# Allegro board 1155001-Timing_board_V3_20241024_1805_pcb.brd (continued)
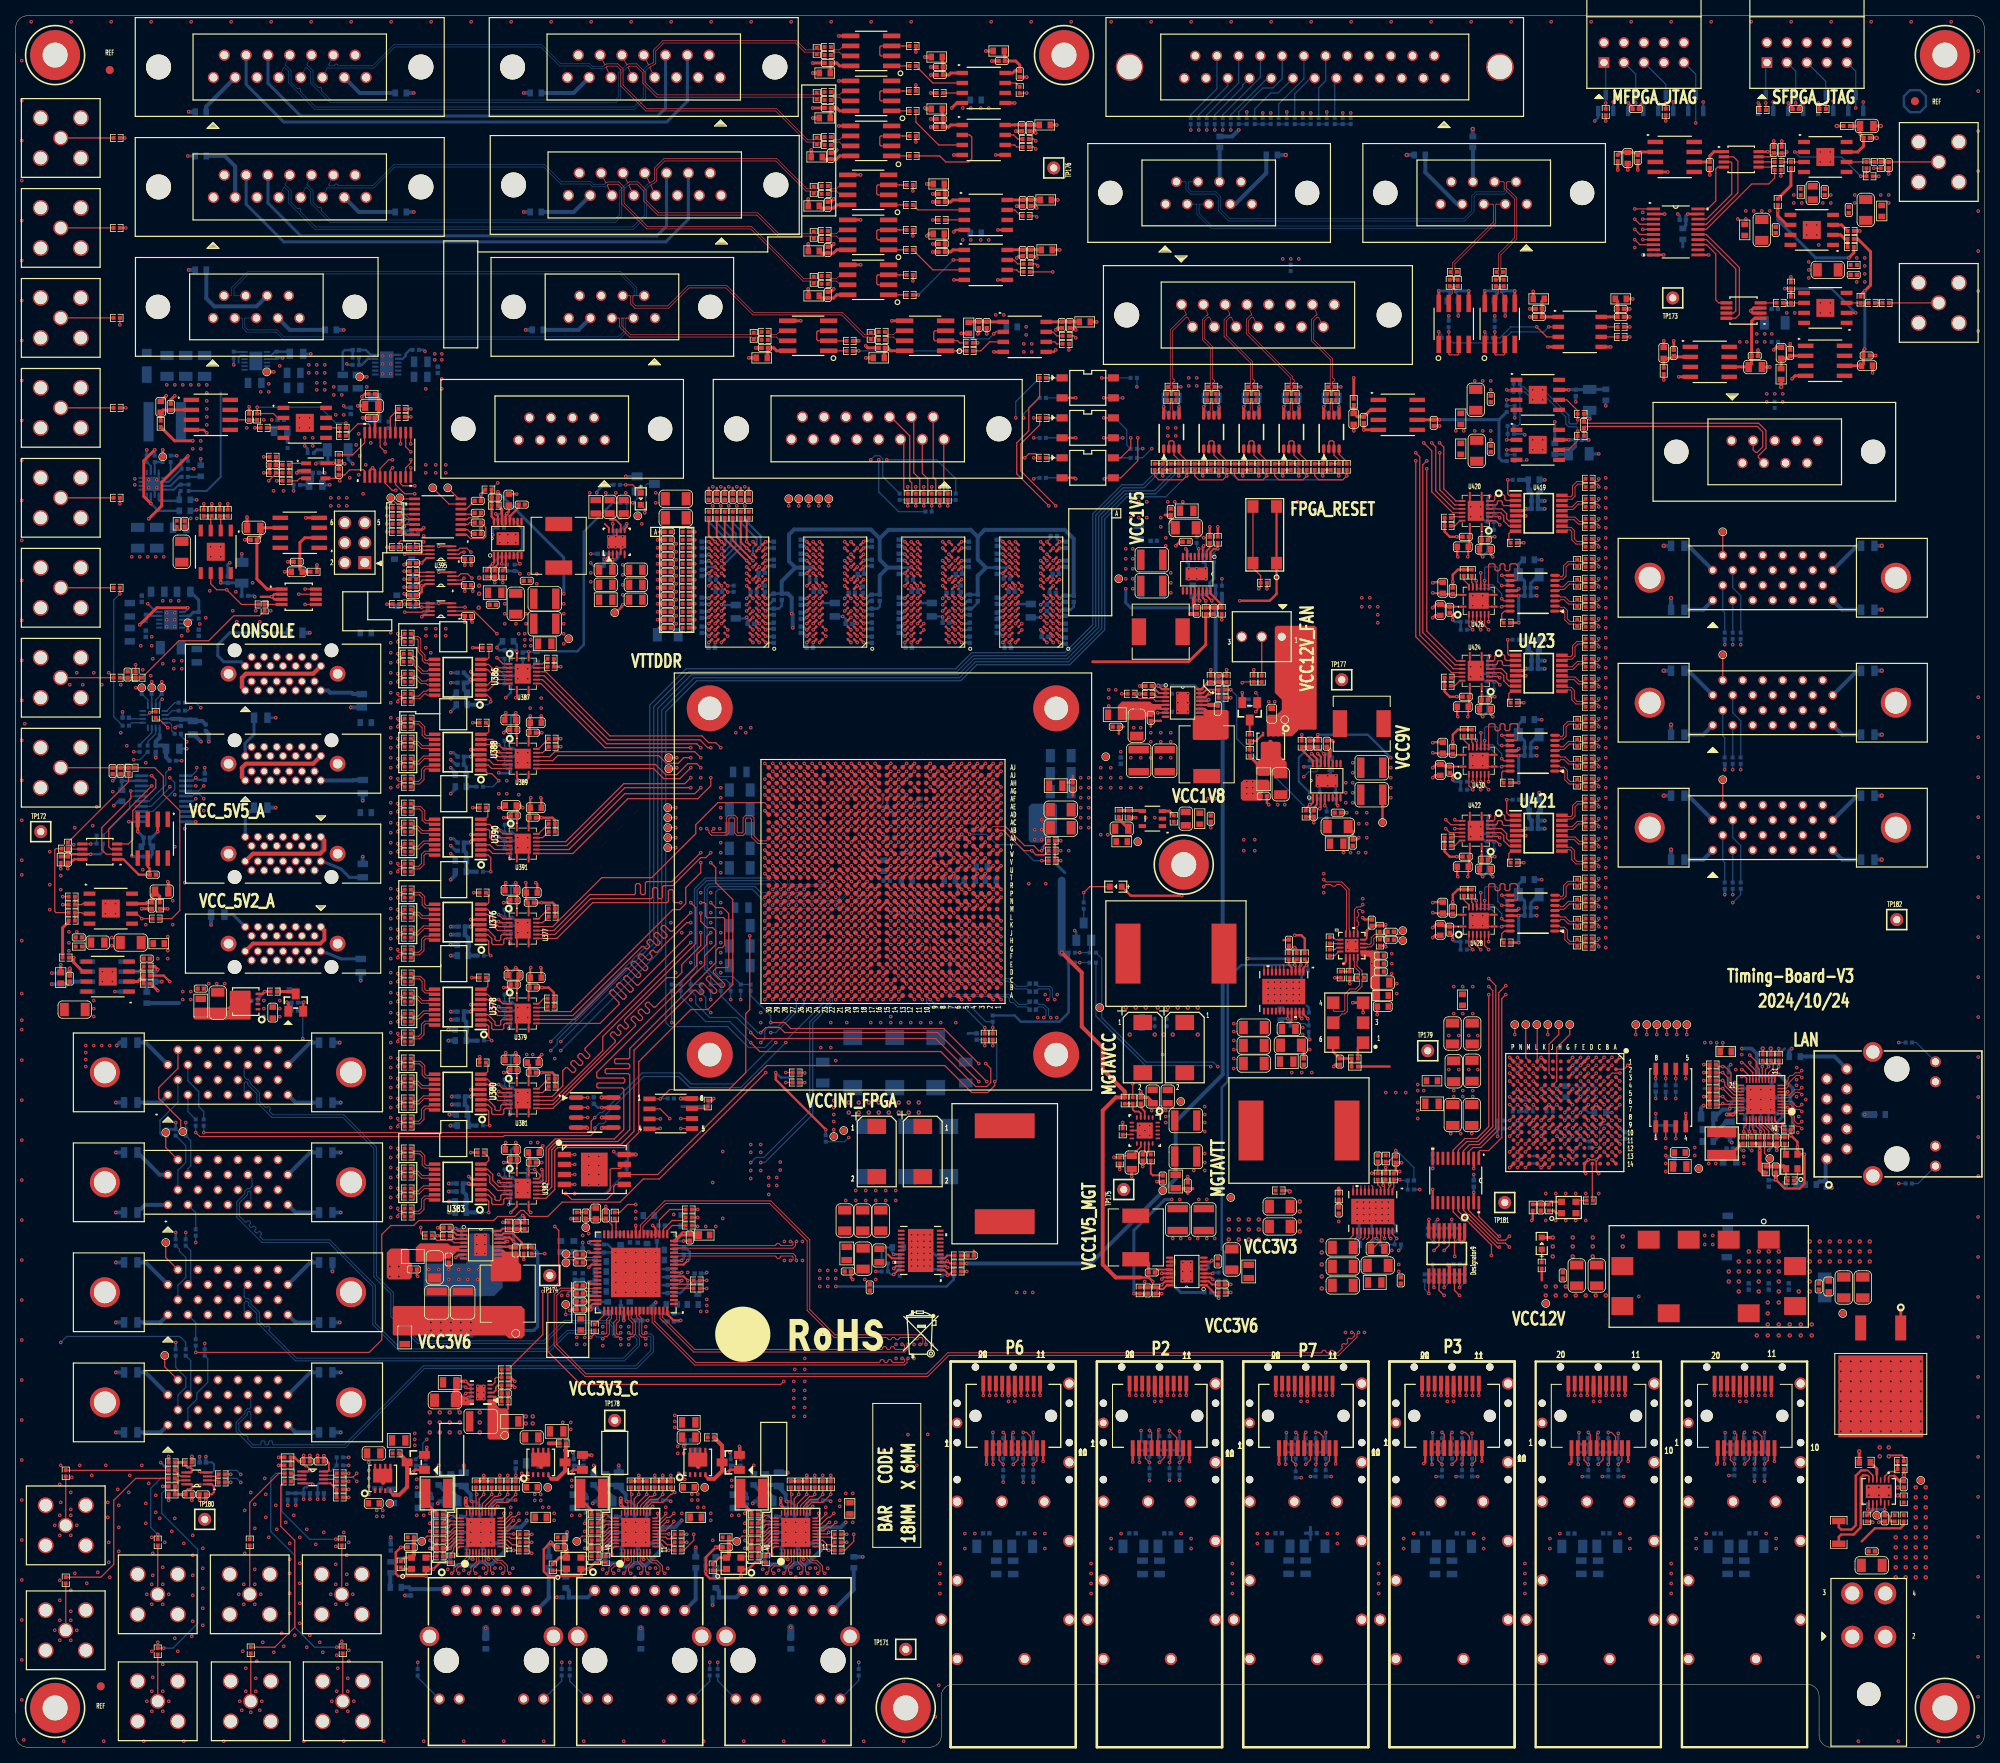
[diagram p0: board, top side]
## Nets (continued)
TDI_2_SYNC_GPIO_OUT: R2619.1 R3280.2
TDI_3_GPIO_IN: R2623.1 R3277.2
TDI_3_SYNC_GPIO_OUT: R2629.1 R3281.2
TDI_4_GPIO_IN: R2625.1 R3278.2
TDI_4_SYNC_GPIO_OUT: R2631.1 R3282.2
TIMING_SPI_CLK_1_N: J62.7(SERTC-) U247.V20(IO_L19N_T3_A09_D25_VREF_14)
TIMING_SPI_CLK_1_P: J62.20(SERTC+) U247.V19(IO_L19P_T3_A10_D26_14)
TIMING_SPI_CLK_2_N: J73.7(SERTC-) U247.K29(IO_L13N_T2_MRCC_15)
TIMING_SPI_CLK_2_P: J73.20(SERTC+) U247.K28(IO_L13P_T2_MRCC_15)
TIMING_SPI_CLK_3_N: J74.7(SERTC-) U247.AF28(IO_L14N_T2_SRCC_13)
TIMING_SPI_CLK_3_P: J74.20(SERTC+) U247.AE28(IO_L14P_T2_SRCC_13)
TIMING_SPI_CLK_4_N: J94.7(SERTC-) U247.N24(IO_L21N_T3_DQS_A18_15)
TIMING_SPI_CLK_4_P: J94.20(SERTC+) U247.P23(IO_L21P_T3_DQS_15)
TIMING_SPI_CLK_5_N: J112.7(SERTC-) R3303.1
TIMING_SPI_CLK_5_P: J112.20(SERTC+) R3304.1
TIMING_SPI_CLK_5_P_S: U425.15(ROUT1) U426.13(1B1)
TIMING_SPI_CLK_5_P_S_C: U247.AG24(IO_L14P_T2_SRCC_12) U426.4(1A1)
TIMING_SPI_CLK_6_N: J113.7(SERTC-) R3311.1
TIMING_SPI_CLK_6_P: J113.20(SERTC+) R3312.1
TIMING_SPI_CLK_6_P_S: U427.15(ROUT1) U428.13(1B1)
TIMING_SPI_CLK_6_P_S_C: U247.AE25(IO_L16P_T2_12) U428.4(1A1)
TIMING_SPI_CLK_7_N: J114.7(SERTC-) R3319.1
TIMING_SPI_CLK_7_P: J114.20(SERTC+) R3320.1
TIMING_SPI_CLK_7_P_S: U429.15(ROUT1) U430.13(1B1)
TIMING_SPI_CLK_7_P_S_C: U247.AH21(IO_L23P_T3_12) U430.4(1A1)
TIMING_SPI_CSN_1_N_C: J62.24(X1-) R2941.2
TIMING_SPI_CSN_1_P: U247.N29(IO_L17P_T2_A26_15) U382.11(2B1)
TIMING_SPI_CSN_1_P_C: J62.11(X1+) R2939.2
TIMING_SPI_CSN_1_P_H: U382.6(2A1) U383.3(DIN2)
TIMING_SPI_CSN_2_N_C: J73.24(X1-) R2896.2
TIMING_SPI_CSN_2_P: U247.M24(IO_L23P_T3_FOE_B_15) U379.11(2B1)
TIMING_SPI_CSN_2_P_C: J73.11(X1+) R2895.2
TIMING_SPI_CSN_2_P_H: U378.3(DIN2) U379.6(2A1)
TIMING_SPI_CSN_3_N_C: J74.24(X1-) R2880.2
TIMING_SPI_CSN_3_P: U247.W23(IO_L20P_T3_A08_D24_14) U377.11(2B1)
TIMING_SPI_CSN_3_P_C: J74.11(X1+) R2879.2
TIMING_SPI_CSN_3_P_H: U376.3(DIN2) U377.6(2A1)
TIMING_SPI_CSN_4_N_C: J94.24(X1-) R2914.2
TIMING_SPI_CSN_4_P: U247.M22(IO_L24P_T3_RS1_15) U381.11(2B1)
TIMING_SPI_CSN_4_P_C: J94.11(X1+) R2913.2
TIMING_SPI_CSN_4_P_H: U380.3(DIN2) U381.6(2A1)
TIMING_SPI_CSN_5_N_C: J112.24(X1-) R3206.2
TIMING_SPI_CSN_5_P: U247.AC21(IO_L5N_T0_12) U420.11(2B1)
TIMING_SPI_CSN_5_P_C: J112.11(X1+) R3205.2
TIMING_SPI_CSN_5_P_H: U419.3(DIN2) U420.6(2A1)
TIMING_SPI_CSN_6_N_C: J113.24(X1-) R3222.2
TIMING_SPI_CSN_6_P: U247.AD21(IO_L10P_T1_12) U422.11(2B1)
TIMING_SPI_CSN_6_P_C: J113.11(X1+) R3221.2
TIMING_SPI_CSN_6_P_H: U421.3(DIN2) U422.6(2A1)
TIMING_SPI_CSN_7_N_C: J114.24(X1-) R3238.2
TIMING_SPI_CSN_7_P: U247.AG23(IO_L13N_T2_MRCC_12) U424.11(2B1)
TIMING_SPI_CSN_7_P_C: J114.11(X1+) R3237.2
TIMING_SPI_CSN_7_P_H: U423.3(DIN2) U424.6(2A1)
TIMING_SPI_MISO_1_N_C: J62.21(X3-) R2952.2
TIMING_SPI_MISO_1_P: U247.N21(IO_L20P_T3_A20_15) U382.13(1B1)
TIMING_SPI_MISO_1_P_C: J62.8(X3+) R2951.2
TIMING_SPI_MISO_1_P_H: U382.4(1A1) U383.7(DIN4)
TIMING_SPI_MISO_2_N_C: J73.21(X3-) R2910.2
TIMING_SPI_MISO_2_P: U247.AC29(IO_L7P_T1_13) U379.13(1B1)
TIMING_SPI_MISO_2_P_C: J73.8(X3+) R2909.2
TIMING_SPI_MISO_2_P_H: U378.7(DIN4) U379.4(1A1)
TIMING_SPI_MISO_3_N_C: J74.21(X3-) R2892.2
TIMING_SPI_MISO_3_P: U247.AE30(IO_L16P_T2_13) U377.13(1B1)
TIMING_SPI_MISO_3_P_C: J74.8(X3+) R2890.2
TIMING_SPI_MISO_3_P_H: U376.7(DIN4) U377.4(1A1)
TIMING_SPI_MISO_4_N_C: J94.21(X3-) R2934.2
TIMING_SPI_MISO_4_P: U247.L25(IO_L12P_T1_MRCC_AD5P_15) U381.13(1B1)
TIMING_SPI_MISO_4_P_C: J94.8(X3+) R2933.2
TIMING_SPI_MISO_4_P_H: U380.7(DIN4) U381.4(1A1)
TIMING_SPI_MISO_5_N_C: J112.21(X3-) R3198.2
TIMING_SPI_MISO_5_P: U247.AB23(IO_L3N_T0_DQS_12) U420.13(1B1)
TIMING_SPI_MISO_5_P_C: J112.8(X3+) R3197.2
TIMING_SPI_MISO_5_P_H: U419.7(DIN4) U420.4(1A1)
TIMING_SPI_MISO_6_N_C: J113.21(X3-) R3214.2
TIMING_SPI_MISO_6_P: U247.AC24(IO_L9P_T1_DQS_12) U422.13(1B1)
TIMING_SPI_MISO_6_P_C: J113.8(X3+) R3213.2
TIMING_SPI_MISO_6_P_H: U421.7(DIN4) U422.4(1A1)
TIMING_SPI_MISO_7_N_C: J114.21(X3-) R3230.2
TIMING_SPI_MISO_7_P: U247.AF23(IO_L11N_T1_SRCC_12) U424.13(1B1)
TIMING_SPI_MISO_7_P_C: J114.8(X3+) R3229.2
TIMING_SPI_MISO_7_P_H: U423.7(DIN4) U424.4(1A1)
TIMING_SPI_MOSI_1_N_C: J62.25(X0-) R2936.2
TIMING_SPI_MOSI_1_P: U247.AA20(IO_L6P_T0_12) U382.10(2B2)
TIMING_SPI_MOSI_1_P_C: J62.12(X0+) R2935.2
TIMING_SPI_MOSI_1_P_H: U382.7(2A2) U383.2(DIN1)
TIMING_SPI_MOSI_2_N_C: J73.25(X0-) R2894.2
TIMING_SPI_MOSI_2_P: U247.M29(IO_L15P_T2_DQS_15) U379.10(2B2)
TIMING_SPI_MOSI_2_P_C: J73.12(X0+) R2893.2
TIMING_SPI_MOSI_2_P_H: U378.2(DIN1) U379.7(2A2)
TIMING_SPI_MOSI_3_N_C: J74.25(X0-) R2878.2
TIMING_SPI_MOSI_3_P: U247.U24(IO_L23P_T3_A03_D19_14) U377.10(2B2)
TIMING_SPI_MOSI_3_P_C: J74.12(X0+) R2877.2
TIMING_SPI_MOSI_3_P_H: U376.2(DIN1) U377.7(2A2)
TIMING_SPI_MOSI_4_N_C: J94.25(X0-) R2912.2
TIMING_SPI_MOSI_4_P: U247.L30(IO_L9P_T1_DQS_AD11P_15) U381.10(2B2)
TIMING_SPI_MOSI_4_P_C: J94.12(X0+) R2911.2
TIMING_SPI_MOSI_4_P_H: U380.2(DIN1) U381.7(2A2)
TIMING_SPI_MOSI_5_N_C: J112.25(X0-) R3204.2
TIMING_SPI_MOSI_5_P: U247.AB20(IO_L6N_T0_VREF_12) U420.10(2B2)
TIMING_SPI_MOSI_5_P_C: J112.12(X0+) R3202.2
TIMING_SPI_MOSI_5_P_H: U419.2(DIN1) U420.7(2A2)
TIMING_SPI_MOSI_6_N_C: J113.25(X0-) R3220.2
TIMING_SPI_MOSI_6_P: U247.AE21(IO_L10N_T1_12) U422.10(2B2)
TIMING_SPI_MOSI_6_P_C: J113.12(X0+) R3218.2
TIMING_SPI_MOSI_6_P_H: U421.2(DIN1) U422.7(2A2)
TIMING_SPI_MOSI_7_N_C: J114.25(X0-) R3236.2
TIMING_SPI_MOSI_7_P: U247.AH25(IO_L18N_T2_12) U424.10(2B2)
TIMING_SPI_MOSI_7_P_C: J114.12(X0+) R3234.2
TIMING_SPI_MOSI_7_P_H: U423.2(DIN1) U424.7(2A2)
TMP75_ALERT: R501.2 U79.3(ALERT) U247.J21(IO_L5P_T0_AD2P_15)
TMP75_IIC_SCL: R500.2 U79.2(SCL) U247.K21(IO_L4N_T0_AD9N_15)
TMP75_IIC_SDA: R499.2 U79.1(SDA) U247.L21(IO_L4P_T0_AD9P_15)
TO_DATA_ACQ_1_CLK_N: J62.22(XCLK-) U105.61(SCLKOUT11*)
TO_DATA_ACQ_1_CLK_P: J62.9(XCLK+) U105.60(SCLKOUT11)
TO_DATA_ACQ_2_CLK_N: J73.22(XCLK-) U105.54(SCLKOUT9*)
TO_DATA_ACQ_2_CLK_P: J73.9(XCLK+) U105.53(SCLKOUT9)
TO_DATA_ACQ_3_CLK_N: J74.22(XCLK-) U105.56(CLKOUT8*)
TO_DATA_ACQ_3_CLK_P: J74.9(XCLK+) U105.55(CLKOUT8)
TO_DATA_ACQ_4_CLK_N: J94.22(XCLK-) U105.59(CLKOUT_10*)
TO_DATA_ACQ_4_CLK_P: J94.9(XCLK+) U105.58(CLKOUT10)
TO_DATA_ACQ_5_CLK_N: J112.22(XCLK-) U105.67(CLKOUT12*)
TO_DATA_ACQ_5_CLK_P: J112.9(XCLK+) U105.66(CLKOUT12)
TO_DATA_ACQ_6_CLK_N: J113.22(XCLK-) U105.65(SCLKOUT13*)
TO_DATA_ACQ_6_CLK_P: J113.9(XCLK+) U105.64(SCLKOUT13)
TO_DATA_ACQ_7_CLK_N: J114.22(XCLK-) U105.25(CLKOUT4*)
TO_DATA_ACQ_7_CLK_P: J114.9(XCLK+) U105.24(CLKOUT4)
TRIG_IO1: R931.1 R1908.2
TRIG_IO2: R993.2 R3351.1
TRIG_IO4: R934.1 R2344.2
UART_RX: R1923.1 U247.E26(IO_L5N_T0_16)
UART_RX_RS232: R2168.1 R2169.1 U3.13(R1IN)
UART_TX: R1922.1 U247.F26(IO_L5P_T0_16)
UART_TX_RS232: R1924.1 R1925.1 U3.14(T1OUT)
VAC_REF0: C938.2(CAP1) R991.2 R992.2 U245.8(VAC_REF0)
VCXO_100M_N: R985.1 U103.5(OUT-) U245.4(IN1_N)
VCXO_100M_P: R985.2 U103.4(OUT+) U245.3(IN1_P)
VREG: C1158.1(CAP2) R1041.1 R1050.1 R1074.1 U113.18(VREG)
VREG5V_1: C1207.1(CAP2) R1084.1 U117.18(VREG)
VREG5V_2: C1217.1(CAP2) R1091.1 R1099.1 U118.18(VREG)
VREG_N: C3006.1(CAP2) R3121.1 U392.11(VREG)
VRN_32: R160.2 U247.Y14(IO_0_VRN_32)
VRN_33: R162.2 U247.Y13(IO_0_VRN_33)
VRN_34: R163.2 U247.AC6(IO_0_VRN_34)
VRP_32: R159.1 U247.AB14(IO_25_VRP_32)
VRP_33: R161.1 U247.AD13(IO_25_VRP_33)
VRP_34: R164.1 U247.AB7(IO_25_VRP_34)
VTTDDR: C13.1(CAP2) C14.1(CAP2) C15.1(CAP2) C342.1(CAP2) C343.1(CAP2) C344.1(CAP2) C521.1(CAP2) C522.1(CAP2) C523.1(CAP2) C524.1(CAP2) C525.1(CAP2) C526.1(CAP2) C527.1(CAP2) C546.1(CAP2) C547.1(CAP2) C548.1(CAP2) C549.1(CAP2) C550.1(CAP2) C551.1(CAP2) C552.1(CAP2) C553.1(CAP2) C554.1(CAP2) C555.1(CAP2) C596.1(CAP2) C597.1(CAP2) C598.1(CAP2) C599.1(CAP2) C600.1(CAP2) C601.1(CAP2) C602.1(CAP2) C603.1(CAP2) C604.1(CAP2) C605.1(CAP2) C624.1(CAP2) C625.1(CAP2) C626.1(CAP2) C627.1(CAP2) C628.1(CAP2) C629.1(CAP2) C630.1(CAP2) C631.1(CAP2) C632.1(CAP2) C633.1(CAP2) R460.1 R461.1 R462.1 R463.1 R464.1 R465.1 R466.1 R467.1 R468.1 R469.1 R470.1 R471.1 R472.1 R473.1 R474.1 R475.1 R476.1 R477.1 R478.1 R479.1 R480.1 R481.1 R482.1 R483.1 R484.1 TP48.1 U23.3(VO) U23.5(VOSNS)
VTTVREF: C97.1(CAP2) C187.2(CAP1) C461.1(CAP2) C462.1(CAP2) C463.1(CAP2) C490.1(CAP2) C491.1(CAP2) C492.1(CAP2) C506.1(CAP2) C507.1(CAP2) C520.1(CAP2) C544.2(CAP1) C545.1(CAP2) C563.1(CAP2) C573.1(CAP2) C574.2(CAP1) C575.1(CAP2) C576.2(CAP1) C577.1(CAP2) C585.1(CAP2) C595.1(CAP2) C613.1(CAP2) C623.1(CAP2) C640.1(CAP2) TP49.1 U23.6(REFOUT) U75.H1(VREFDQ) U75.M8(VREFCA) U76.H1(VREFDQ) U76.M8(VREFCA) U77.H1(VREFDQ) U77.M8(VREFCA) U78.H1(VREFDQ) U78.M8(VREFCA) U247.AB13(IO_L6N_T0_VREF_33) U247.AD7(IO_L6N_T0_VREF_34) U247.AE14(IO_L19N_T3_VREF_32) U247.AF13(IO_L19N_T3_VREF_33) U247.AF16(IO_L6N_T0_VREF_32) U247.AG8(IO_L19N_T3_VREF_34)
W_DRIVER_5V: L400.1 L401.1 L459.2 L460.2 L462.2
W_DRIVER_GND: C2969.1(CAP2) C2970.1(CAP2) C2971.2(CAP1) C2974.1(CAP2) J87.8 J89.8 L337.1 L338.1 R3055.2 R3061.2 U402.5(GND) U403.4(GND1) U404.5(GND)
W_ENCODER_MA_IN: R3059.1 U403.2(VIA)
W_ENCODER_MA_IN+: J87.2 J89.2 R3057.2 R3058.1
W_ENCODER_MA_IN-: J87.3 J89.3 R3056.2 R3058.2
W_ENCODER_MA_IN_FPGA: R3060.1 U247.C14(IO_L21N_T3_DQS_18)
W_ENCODER_SLO_IN: R3065.1 U403.3(VIB)
W_ENCODER_SLO_IN+: J87.6 J89.6 R3063.2 R3064.1
W_ENCODER_SLO_IN-: J87.7 J89.7 R3062.2 R3064.2
W_ENCODER_SLO_IN_FPGA: R3066.1 U247.B13(IO_L22P_T3_18)
X_DRIVER_5V: L406.1 L407.1 L463.2 L464.2 L465.2 L466.2 L468.2
X_DRIVER_5V_ADD: L533.1 L534.1 L537.2 L538.2 L539.2
X_DRIVER_GND: C2975.1(CAP2) C2976.1(CAP2) C2977.1(CAP2) C2978.1(CAP2) C2979.2(CAP1) C2982.1(CAP2) C2983.2(CAP1) J86.2 J92.2 L339.2 L340.2 R3067.2 R3072.2 R3077.2 R3104.2 U405.5(GND) U406.5(GND) U407.5(GND) U408.4(GND1) U409.4(GND1)
X_DRIVER_GND_ADD: C3147.1(CAP2) C3148.2(CAP1) C3149.1(CAP2) C3150.1(CAP2) J131.8 J132.8 L532.1 L535.1 R3415.2 R3420.2 U457.4(GND1) U458.5(GND) U459.5(GND)
X_ENCODER_A_IN: R3071.1 U408.2(VIA)
X_ENCODER_A_IN+: J86.14 J92.14 R3069.2 R3070.1
X_ENCODER_A_IN-: J86.6 J92.6 R3068.2 R3070.2
X_ENCODER_A_IN_FPGA: R3082.1 U247.A20(IO_L21P_T3_DQS_17)
X_ENCODER_B_IN: R3076.1 U408.3(VIB)
X_ENCODER_B_IN+: J86.13 J92.13 R3074.2 R3075.1
X_ENCODER_B_IN-: J86.5 J92.5 R3073.2 R3075.2
X_ENCODER_B_IN_FPGA: R3083.1 U247.A21(IO_L21N_T3_DQS_17)
X_ENCODER_MA_IN: R3416.1 U457.2(VIA)
X_ENCODER_MA_IN+: J131.2 J132.2 R3418.2 R3419.1
X_ENCODER_MA_IN-: J131.3 J132.3 R3417.2 R3419.2
X_ENCODER_MA_IN_FPGA: R3413.1 U247.AF30(IO_L16N_T2_13)
X_ENCODER_P: J86.11 J92.11
X_ENCODER_Q: J86.10 J92.10
X_ENCODER_SLO_IN: R3421.1 U457.3(VIB)
X_ENCODER_SLO_IN+: J131.6 J132.6 R3423.2 R3424.1
X_ENCODER_SLO_IN-: J131.7 J132.7 R3422.2 R3424.2
X_ENCODER_SLO_IN_FPGA: R3414.1 U247.AJ29(IO_L17N_T2_13)
X_ENCODER_Z_IN: R3081.1 U409.2(VIA)
X_ENCODER_Z_IN+: J86.12 J92.12 R3079.2 R3080.1
X_ENCODER_Z_IN-: J86.4 J92.4 R3078.2 R3080.2
X_ENCODER_Z_IN_FPGA: R3084.1 U247.B18(IO_L22P_T3_17)
XADC_AGND: C2.2(CAP1) L3.2 U247.P14(GNDADC_0) U247.R14(VREFN_0) U247.T15(VREFP_0)
XADC_VCC: C2.1(CAP2) L5.1 U247.P15(VCCADC_0)
Z_DRIVER_5V: L414.1 L415.1 L470.2 L471.2 L472.2 L473.2 L475.2
Z_DRIVER_GND: C2986.1(CAP2) C2987.1(CAP2) C2988.1(CAP2) C2989.1(CAP2) C2990.2(CAP1) C2993.1(CAP2) C2994.2(CAP1) J91.2 J93.2 L341.2 L342.2 R3085.2 R3090.2 R3095.2 R3103.2 U410.5(GND) U411.5(GND) U412.5(GND) U413.4(GND1) U414.4(GND1)
Z_ENCODER_A_IN: R3089.1 U413.2(VIA)
Z_ENCODER_A_IN+: J91.14 J93.14 R3087.2 R3088.1
Z_ENCODER_A_IN-: J91.6 J93.6 R3086.2 R3088.2
Z_ENCODER_A_IN_FPGA: R3100.1 U247.A13(IO_L22N_T3_18)
Z_ENCODER_B_IN: R3094.1 U413.3(VIB)
Z_ENCODER_B_IN+: J91.13 J93.13 R3092.2 R3093.1
Z_ENCODER_B_IN-: J91.5 J93.5 R3091.2 R3093.2
Z_ENCODER_B_IN_FPGA: R3101.1 U247.C15(IO_L23P_T3_18)
Z_ENCODER_P: J91.11 J93.11
Z_ENCODER_Q: J91.10 J93.10
Z_ENCODER_Z_IN: R3099.1 U414.2(VIA)
Z_ENCODER_Z_IN+: J91.12 J93.12 R3097.2 R3098.1
Z_ENCODER_Z_IN-: J91.4 J93.4 R3096.2 R3098.2
Z_ENCODER_Z_IN_FPGA: R3102.1 U247.B15(IO_L23N_T3_18)
$7N578: C217.1(CAP2) R233.1
$7N830: Q15.3(DRAIN) R396.1
$7N832: DS10.2 R396.2
$36N205: R165.2 U247.W8(MGTRREF_115)
$45N24: C271.1(CAP2) R219.1 R221.2 U23.1(REFIN)
$45N300: DS18.2 Q10.3(DRAIN)
$45N301: DS18.1 R87.2
N319534: R458.1 U75.L8(ZQ)
N335210: R490.1 U76.L8(ZQ)
N421789: R492.1 U77.L8(ZQ)
N421983: R494.1 U78.L8(ZQ)
N577021: P3.9(RS1) R391.2 R2432.1
N577039: P3.7(RS0) R392.2 R2433.1
N577123: P3.3(TX_DISABLE) R12.2 R2558.2
N601768: P2.7(RS0) R18.2 R2435.1
N601812: P2.9(RS1) R23.2 R2434.1
N601906: P2.3(TX_DISABLE) R19.2 R2559.2
N929679: R670.1 U89.6(CLK)
N932083: R669.1 U90.3(OUT)
N932121: C800.1(CAP2) L55.1 R986.2 U90.4(VCC)
N932133: R986.1 U90.1(OE)
N932396: R665.1 U88.G8(NC/VP_0)
N932403: R666.1 U88.H7(NC/VN_0)
N1107900: C815.1(CAP2) L40.1 U88.F8(NC/VCCADC_0)
N1108562: R784.2 U88.P8(INIT_B_0)
N1108569: R785.2 U88.L7(PROGRAM_B_0)
N1108576: R786.1 U88.N7(CFGBVS_0)
N1108697: R787.2 U88.P9(DONE_0)
N1108945: R788.1 U88.B8(NC/VCCBATT_0)
N16507224: C942.1(CAP2) U247.U27(IO_L13P_T2_MRCC_14)
N16507228: C941.1(CAP2) U247.U28(IO_L13N_T2_MRCC_14)
N16578782: C1003.2(CAP1) C1004.1(CAP2) C1005.2(CAP1) TP31.1 U105.32(CPOUT1)
N16578824: C1003.1(CAP2) C1004.2(CAP1) R1004.2
N16578950: C1006.1(CAP2) C1007.2(CAP1) C1008.2(CAP1) TP32.1 U105.50(CPOUT2)
N16578970: C1006.2(CAP1) C1008.1(CAP2) R1005.1
N16579368: C995.2(CAP1) U105.7(BGABYP1)
N16579404: C996.2(CAP1) U105.8(LDOBYP2)
N16579416: C999.2(CAP1) U105.9(LDOBYP3)
N16579428: C997.2(CAP1) C1000.1(CAP2) U105.11(LDOBYP4)
N16579440: C1000.2(CAP1) U105.12(LDOBYP5)
N16579592: C1002.1(CAP2) U105.46(LDOBYP6)
N16579620: C1001.1(CAP2) U105.49(LDOBYP7)
N16579670: R994.2 U105.35(RSV)
N16645854: R2805.2 R2806.2 U111.2(SHIELD1) U111.3(SHIELD2)
N16650422: Q1.D R1034.2 U112.5(SNS)
N16650464: C1146.2(CAP1) R1038.2 R1039.2 U112.7(SHDN) U112.11(AOUT)
N16650476: R1036.1 R1037.2 R1039.1 U112.12(IN+)
N16650588: R1033.2 U112.8(FLT)
N16650604: R1062.2 U112.4(GATE)
N16650648: Q1.G R1062.1
N16650778: C1151.1(CAP2) U112.1(TMR)
N16650844: R1040.2 R1063.1 U112.2(FB)
N16650852: TP40.1 U112.9(EN)
N16671344: C1153.1(CAP2) C1154.1(CAP2) C1155.1(CAP2) C1156.1(CAP2) C1157.1(CAP2) L89.2 U113.12(VIN) U113.13(VIN_1) U113.14(VIN_2) U113.15(VIN_3) U113.16(VIN_4) U113.17(VIN_5) U113.19(VDD)
N16672317: R1044.2 U113.20(MODE)
N16672324: R1043.2 U113.21(TRIP)
N16672331: R1042.2 R1050.2 U113.22(RF)
N16672704: C1159.1(CAP2) L85.2 U113.6(LL) U113.7(LL_1) U113.8(LL_2) U113.9(LL_3) U113.10(LL_4) U113.11(LL_5)
N16673248: R1046.2 R1047.1 U113.1(VFB)
N16673267: R1049.1 U113.4(VBST)
N16673329: C1159.2(CAP1) R1049.2
N16673629: R1045.2 R1048.1 U113.2(EN)
N16695226: C1162.1(CAP2) C1163.2(CAP1) L87.2 U114.5(VIN1) U114.6(VIN2)
N16695258: R1051.2 U114.4(EN/UV)
N16695470: C1165.1(CAP2) U114.2(TR/SS)
N16695562: R1054.2 R1081.1 U114.1(SYNC)
N16695602: C1166.1(CAP2) L88.1 U114.9(SW1) U114.10(SW2) U114.11(SW3)
N16695606: C1166.2(CAP1) U114.12(BST)
N16695702: C1167.1(CAP2) R1055.1 R1056.1 U114.16(FB)
N16695978: R1052.1 U114.3(RT)
N16716267: C1188.2(CAP1) C1197.1(CAP2) L93.2 U116.5(VIN1) U116.6(VIN2)
N16716359: R1067.2 U116.4(EN/UV)
N16716571: C1190.1(CAP2) U116.2(TR/SS)
N16716663: R1070.2 R1071.1 U116.1(SYNC)
N16716703: C1191.1(CAP2) L94.1 U116.9(SW1) U116.10(SW2) U116.11(SW3)
N16716707: C1191.2(CAP1) U116.12(BST)
N16716803: C1192.1(CAP2) R1072.1 R1073.1 U116.16(FB)
N16717075: R1068.1 U116.3(RT)
N16718397: R1074.2 R1075.2 U116.15(PG)
N16720636: C340.1(CAP2) C341.1(CAP2) L95.2 R221.1 U23.2(VLDOIN)
N16720676: C224.1(CAP2) L96.1 U23.7(EN) U23.10(VIN)
N16721374: R459.1 U23.9(PGOOD)
N16725153: R1086.2 R1088.2 U114.15(PG)
N16728285: C1212.1(CAP2) C1213.1(CAP2) C1214.1(CAP2) C1215.1(CAP2) C1216.1(CAP2) L100.2 U118.12(VIN) U118.13(VIN_1) U118.14(VIN_2) U118.15(VIN_3) U118.16(VIN_4) U118.17(VIN_5) U118.19(VDD)
N16728485: R1094.2 U118.20(MODE)
N16728493: R1092.2 R1099.2 U118.22(RF)
N16728501: R1093.2 U118.21(TRIP)
N16728563: C1208.1(CAP2) L99.2 U118.6(LL) U118.7(LL_1) U118.8(LL_2) U118.9(LL_3) U118.10(LL_4) U118.11(LL_5)
N16728607: R1095.2 R1100.1 U118.1(VFB)
N16728623: R1098.1 U118.4(VBST)
N16728663: C1208.2(CAP1) R1098.2
N16728745: R1101.1 U118.2(EN)
N16769397: C1219.2(CAP1) C1228.1(CAP2) L101.2 U119.5(VIN1) U119.6(VIN2)
N16769495: R1102.2 U119.4(EN/UV)
N16769695: C1221.1(CAP2) U119.2(TR/SS)
N16769791: R1105.2 R1106.1 U119.1(SYNC)
N16769823: C1222.1(CAP2) L102.1 U119.9(SW1) U119.10(SW2) U119.11(SW3)
N16769839: C1222.2(CAP1) U119.12(BST)
N16769935: C1223.1(CAP2) R1107.1 R1108.1 U119.16(FB)
N16770219: R1103.1 U119.3(RT)
N16770359: R1109.2 R1110.2 U119.15(PG)
N16771394: C1229.2(CAP1) U120.13(NR_SS)
N16771812: C1231.2(CAP1) C1232.1(CAP2) L103.2 R1114.2 U120.15(IN) U120.16(IN_1) U120.17(IN_2)
N16773503: R1111.2 U120.9(400 MV)
N16774020: C1235.1(CAP2) U120.3(FB)
N16774481: R1112.2 R1113.1 U120.4(PG)
N16776070: R1114.1 U120.14(EN)
N16776537: C1238.1(CAP2) R1115.2 U120.12(BIAS)
N16895382: Q21.1(GATE) R1196.1 R1197.1
N16895384: Q20.4(G) R1198.2 R2541.1
N16895484: C1349.1(CAP2) L134.2 Q20.5(S1) R1198.1
N17066271: R657.1 U88.B10(IO_L3P_T0_DQS_PUDC_B_14)
N17066278: R276.1 U247.R23(IO_L3P_T0_DQS_PUDC_B_14)
N17765267: R1069.2 U116.7(NC)
N17766516: R1104.2 U119.7(NC)
N17767089: R1053.2 U114.7(NC)
N20520588: C1340.1(CAP2) C1341.1(CAP2) L295.1 R2079.1 TP68.1 U133.2(OUT) U133.3(OUT_1)
N20520628: R2079.2 R2080.1 U133.5(SENSE/ADJ)
N20520632: C1340.2(CAP1) U133.6(BYP)
N20520700: C1339.1(CAP2) L131.2 U133.10(IN) U133.11(IN_1)
N20520738: R2083.2 U133.8(*SHDN)
N21090058: C930.2(CAP1) L54.1 R984.2 U103.6(VDD)
N21090105: R984.1 U103.1(VC/OE/S\T\)
N21090305: R987.2 R988.2 U245.2(IN_SEL)
N21904866: TP92.1 U88.A10(IO_L3N_T0_DQS_EMCCLK_14)
N21904868: TP93.1 U88.A12(IO_L4P_T0_D04_14)
N21904877: TP94.1 U88.A13(IO_L4N_T0_D05_14)
N21904886: TP95.1 U88.B13(IO_L5P_T0_D06_14)
N21904895: TP96.1 U88.C12(IO_L6N_T0_D08_VREF_14)
N21904904: TP97.1 U88.F12(IO_L7P_T1_D09_14)
N21904956: TP90.1 U88.M1(IO_L18P_T2_34)
N21904965: TP91.1 U88.J3(IO_L17N_T2_34)
N21904974: TP98.1 U88.L1(IO_L18N_T2_34)
N21904983: TP99.1 U88.J4(IO_L17P_T2_34)
N21905005: TP100.1 U88.L5(IO_25_34)
N21905014: TP101.1 U88.N4(IO_L24N_T3_34)
N21905899: C2394.2(CAP1) TP143.1
N21905901: C2395.2(CAP1) TP142.1
N21905987: TP116.1 U247.AK13(IO_L20N_T3_33)
N21906019: TP133.1 U247.AH14(IO_L21P_T3_DQS_33)
N21906030: TP134.1 U247.AJ14(IO_L21N_T3_DQS_33)
N21906041: TP135.1 U247.AJ13(IO_L22P_T3_33)
N21906052: TP136.1 U247.AJ12(IO_L22N_T3_33)
N21908350: R849.2 R855.1 U93.14(MDIO)
N21912553: DS24.1 R2050.2
N21945396: C939.2(CAP1) R992.1 U245.7(IN0_N)
N21945398: C940.2(CAP1) R991.1 U245.6(IN0_P)
N21945416: C940.1(CAP2) TP137.1
N21945418: C939.1(CAP2) TP138.1
N21955669: P6.7(RS0) R2051.2 R2437.1
N21955690: P6.9(RS1) R2052.2 R2436.1
N21955726: P6.3(TX_DISABLE) R2056.2 R2560.2
N21956803: P7.7(RS0) R2059.2 R2439.1
N21956824: P7.9(RS1) R2060.2 R2438.1
N21956860: P7.3(TX_DISABLE) R2064.2 R2561.2
N22202204: C1177.2(CAP1) C1178.1(CAP2) L90.2 U115.5(VIN1) U115.6(VIN2)
N22202247: R1059.2 U115.4(EN/UV)
N22202347: C1176.1(CAP2) U115.2(TR/SS)
N22202393: R1061.1 R1064.2 U115.1(SYNC)
N22202413: C1179.1(CAP2) L86.1 U115.9(SW1) U115.10(SW2) U115.11(SW3)
N22202417: C1179.2(CAP1) U115.12(BST)
N22202453: R1066.2 U115.7(NC)
N22202455: C1180.1(CAP2) R1057.1 R1089.1 U115.16(FB)
N22202599: R1065.1 U115.3(RT)
N22202663: R1058.2 R1060.2 U115.15(PG)
N22225077: C1273.2(CAP1) C1274.1(CAP2) L117.2 U126.5(VIN1) U126.6(VIN2)
N22225107: R1140.2 U126.4(EN/UV)
N22225172: C1272.1(CAP2) U126.2(TR/SS)
N22225222: R1142.1 R1143.2 U126.1(SYNC)
N22225252: C1275.1(CAP2) L116.1 U126.9(SW1) U126.10(SW2) U126.11(SW3)
N22225254: R1145.2 U126.7(NC)
N22225256: C1275.2(CAP1) U126.12(BST)
N22225276: C1267.1(CAP2) C1268.1(CAP2) C1269.1(CAP2) C1270.1(CAP2) C1276.2(CAP1) L116.2 L118.1 R1146.2 TP61.1 U126.14(BIAS)
N22225298: C1276.1(CAP2) R1146.1 R1147.1 U126.16(FB)
N22225338: R1139.2 R1141.2 U126.15(PG)
N22225448: R1144.1 U126.3(RT)
N22237663: R495.2 U6.7(H\O\L\D\)
N22239520: C2423.2(CAP1) C2424.1(CAP2) L271.2 U268.2(VIN)
N22239560: C2425.2(CAP1) R2073.1 U268.6(VOUT)
N22239588: C2430.2(CAP1) C2648.1(CAP2) L269.2 U269.7(V+)
N22239655: R2073.2 R2074.2 U269.2(-IN)
N22239679: R2074.1 R2447.1 U269.6(OUT)
N22239690: C2432.2(CAP1) C2433.1(CAP2) L270.2 U269.4(V-) U269.9(EPAD)
N22239962: R2070.1 R3005.2 U267.1(VOUT)
N22239964: C2422.1(CAP2) U267.4(-IN) U271.1(IOUT1)
N22240004: C2422.2(CAP1) R2071.2 R3005.1 R3006.2
N22240010: C2944.1(CAP2) R2070.2 R3026.1
N22240032: C2426.1(CAP2) C2647.1(CAP2) L267.2 U267.5(+VS)
N22240087: C2428.1(CAP2) C2429.1(CAP2) L268.2 U267.2(-VS)
N22240109: R2071.1 U271.20(VRFB)
N22240209: R2075.1 U269.3(+IN)
N22240229: R2447.2 U271.19(VREF)
N22415451: J81.14(INNER SHIELD2) R2127.1
N22415452: J81.13(INNER SHIELD3) R2128.1
N22415487: J77.14(INNER SHIELD2) R2129.1
N22415491: J77.13(INNER SHIELD3) R2130.1
N22415511: J80.14(INNER SHIELD2) R2131.1
N22415515: J80.13(INNER SHIELD3) R2132.1
N22546496: J73.3(CC3+) R2778.1
N22546524: J73.16(CC3-) R2781.1
N22546541: J73.15(CC4+) TP145.1
N22546645: J73.14(INNER SHIELD2) R2191.1
N22546648: J73.1(INNER SHIELD1) R2190.1
N22546901: J73.2(CC4-) R2192.1
N22546923: J73.13(INNER SHIELD3) R2193.1
N22546932: J73.26(INNER SHIELD4) R2194.1
N22549363: J74.14(INNER SHIELD2) R2196.1
N22549365: J74.1(INNER SHIELD1) R2195.1
N22549725: J74.3(CC3+) R2779.1
N22549739: J74.16(CC3-) R2782.1
N22549899: J74.15(CC4+) TP146.1
N22549937: J74.2(CC4-) R2197.1
N22549943: J74.13(INNER SHIELD3) R2198.1
N22549949: J74.26(INNER SHIELD4) R2199.1
N22626888: C2528.2(CAP1) C2537.1(CAP2) L312.2 U298.5(VIN1) U298.6(VIN2)
N22626918: R2273.2 U298.4(EN/UV)
N22626983: C2530.1(CAP2) U298.2(TR/SS)
N22627033: R2276.2 R2277.1 U298.1(SYNC)
N22627063: C2531.1(CAP2) L314.1 U298.9(SW1) U298.10(SW2) U298.11(SW3)
N22627065: R2275.2 U298.7(NC)
N22627067: C2531.2(CAP1) U298.12(BST)
N22627093: C2532.2(CAP1) C2533.1(CAP2) C2534.1(CAP2) C2535.1(CAP2) C2536.1(CAP2) L313.1 L314.2 R2278.2 TP147.1 U298.14(BIAS)
N22627109: C2532.1(CAP2) R2278.1 R2279.1 U298.16(FB)
N22627147: R2280.2 R2281.2 U298.15(PG)
N22627257: R2274.1 U298.3(RT)
N22722605: R2077.1 U271.15(DB0)
N22722607: R2078.1 U271.14(DB1)
N22722971: C2420.1(CAP2) C2421.1(CAP2) L266.2 U271.18(VDD)
N22755962: R935.2 TP78.1
N22755964: R936.2 TP79.1
N22755966: R937.2 TP80.1
N22756028: R946.1 U98.7(SDO)
N22756030: C885.1(CAP2) U98.6(VREF)
N22756034: R944.1 U98.14(SCLK)
N22756036: R945.1 U98.13(SDI)
N22756038: C881.1(CAP2) C882.1(CAP2) L47.2 U98.1(VDD)
N22756100: R934.2 U98.5(I/O3)
N22756117: R935.1 U98.11(I/O7)
N22756119: R936.1 U98.10(I/O6)
N22756121: R937.1 U98.9(I/O5)
N22756250: C883.1(CAP2) C884.1(CAP2) L48.2 U98.15(VLOGIC)
N22756394: R943.1 U98.16(/SYNC)
N22756428: R931.2 U98.2(I/O0)
N22758447: J64.1(SIG) R3034.1
N22758493: J65.1(SIG) R1910.1
N22760132: R2183.2 U280.1(ANODE)
N22760232: R2352.2 U303.1(ANODE)
N22760337: R2353.2 U304.1(ANODE)
N22761206: J82.24 R2165.2
N22761223: J82.23 R2166.2
N22761237: J82.22 R2167.2
N22761806: J82.19 R2362.2
N22761811: J82.20 R2361.2
N22761816: J82.21 R2360.2
N22761842: J82.6 R2359.2
N22761847: J82.7 R2358.2
N22761852: J82.8 R2357.2
N22761857: J82.9 R2162.2
N22761862: J82.10 R2163.2
N22761867: J82.11 R2164.2
N22767710: TP117.1 U247.E18(IO_25_17)
N22804544: C1202.1(CAP2) C1203.1(CAP2) C1204.1(CAP2) C1205.1(CAP2) C1206.1(CAP2) L98.2 U117.12(VIN) U117.13(VIN_1) U117.14(VIN_2) U117.15(VIN_3) U117.16(VIN_4) U117.17(VIN_5) U117.19(VDD)
N22804791: R1076.2 R1090.1 U117.3(PGOOD)
N22804831: R1077.2 R1084.2 U117.22(RF)
N22804833: R1079.2 U117.20(MODE)
N22804839: R1078.2 U117.21(TRIP)
N22804870: C1198.1(CAP2) L97.2 R2529.1 R2531.1 U117.6(LL) U117.7(LL_1) U117.8(LL_2) U117.9(LL_3) U117.10(LL_4) U117.11(LL_5)
N22804886: C2631.1(CAP2) R1080.2 R1085.1 U117.1(VFB)
N22804894: R1083.1 U117.4(VBST)
N22804922: C1198.2(CAP1) R1083.2
N22804942: R1149.1 U117.2(EN)
N22807003: R2401.2 U127.7(EN)
N22807016: C2581.1(CAP2) C2582.2(CAP1) L330.1 R2404.2 TP62.1 U127.1(OUT) U127.2(OUT_1)
N22807022: C2582.1(CAP2) R2403.1 R2404.1 U127.3(FB)
N22807038: R1154.1 R2402.2 U127.5(PG)
N22807040: C2579.1(CAP2) L122.2 R2401.1 U127.6(SS_CTRL) U127.9(IN) U127.10(IN_1)
N22807100: C2580.2(CAP1) U127.8(NR_SS)
N22839532: R2424.1 U313.4(DRAIN2)
N22839535: R2405.2 U313.1(ANODE)
N22839549: R2425.1 U313.3(DRAIN1)
N22839568: R2406.2 U314.1(ANODE)
N22839621: R2407.2 U315.1(ANODE)
N22839848: R2409.2 R2411.1 R2418.2
N22839904: R2410.2 R2419.2
N22839992: R2412.2 R2414.1 R2420.2
N22840048: R2413.2 R2421.2
N22840145: R2415.2 R2417.1 R2422.2
N22840201: R2416.2 R2423.2
N22841333: R2426.1 U314.4(DRAIN2)
N22841335: R2427.1 U314.3(DRAIN1)
N22841405: R2428.1 U315.4(DRAIN2)
N22841407: R2429.1 U315.3(DRAIN1)
N22925507: C2583.2(CAP1) C2584.1(CAP2) L331.2 U317.2(VIN)
N22925529: C2585.2(CAP1) U317.6(VOUT) U318.1(REF)
N22926185: C2586.2(CAP1) L332.2 R3023.1 U318.7(VDD)
N22929246: R2368.1 R3116.2 U318.6(OUT)
N22941492: C2595.2(CAP1) C2596.1(CAP2) L335.2 U322.2(VIN)
N22941508: C2597.2(CAP1) C2598.1(CAP2) U322.6(VOUT) U323.1(VDD)
N22945749: C2600.1(CAP2) L336.1 U324.19(VCCB)
N22972460: R2448.2 U267.3(+IN)
N22974010: J62.1(INNER SHIELD1) R2449.1
N22974014: J62.14(INNER SHIELD2) R2450.1
N22974670: J62.3(CC3+) R2777.1
N22974777: J62.15(CC4+) TP159.1
N22974815: J62.2(CC4-) R2451.1
N22974821: J62.13(INNER SHIELD3) R2452.1
N22974827: J62.26(INNER SHIELD4) R2453.1
N22974931: J62.16(CC3-) R2780.1
N23007137: J104.14(INNER SHIELD2) R2459.1
N23007141: J104.13(INNER SHIELD3) R2458.1
N23008845: TP102.1 U247.AE26(IO_25_13)
N23008870: TP103.1 U247.AG20(IO_L22P_T3_12)
N23008879: TP104.1 U247.AH20(IO_L22N_T3_12)
N23008943: TP105.1 U247.Y20(IO_0_12)
N23008961: TP106.1 U247.Y25(IO_0_13)
N23008979: TP110.1 U247.R19(IO_0_14)
N23008997: TP111.1 U247.W19(IO_25_14)
N23150731: C2601.1(CAP2) C2602.1(CAP2) C2603.1(CAP2) L346.2 U325.11(AVDD33#11) U325.40(AVDD33#40)
N23150814: C2604.1(CAP2) C2605.1(CAP2) L347.2 U325.29(DVDD33)
N23151086: R2467.2 R2471.1 U325.31(INTB/PMEB)
N23151088: R2468.2 R2472.1 U325.12(PHYRSTB)
N23151108: C2606.1(CAP2) C2607.1(CAP2) L348.2 U325.28(DVDDRG)
N23151124: R2469.1 U325.13(MDC)
N23151152: C2608.1(CAP2) C2609.1(CAP2) C2610.1(CAP2) R2474.1 U325.3(AVDD10#3) U325.8(AVDD10#8) U325.38(AVDD10#38)
N23151160: R2470.1 U325.14(MDIO)
N23151216: C2613.1(CAP2) R2475.1 U325.21(DVDD10)
N23151230: L349.2 R2473.2 U325.30(REG_OUT)
N23151285: C2611.1(CAP2) C2612.1(CAP2) L349.1 R2473.1 R2474.2 R2475.2
N23151326: R2476.1 U325.39(RSET)
N23151363: TP164.1 U325.35(CLK_OUT)
N23151369: R2477.2 U325.36(XTAL_IN)
N23151585: C2614.1(CAP2) L350.1 R2487.2 U326.4(VCC)
N23151747: R2487.1 U326.1(OE)
N23151813: R2488.1 U326.3(OUT)
N23152290: C2616.1(CAP2) C2617.1(CAP2) C2618.1(CAP2) L351.2 U327.11(AVDD33#11) U327.40(AVDD33#40)
N23152300: C2619.1(CAP2) C2620.1(CAP2) L352.2 U327.29(DVDD33)
N23152345: R2498.2 R2502.1 U327.31(INTB/PMEB)
N23152346: R2499.2 R2504.1 U327.12(PHYRSTB)
N23152348: C2621.1(CAP2) C2622.1(CAP2) L353.2 U327.28(DVDDRG)
N23152356: R2500.1 U327.13(MDC)